# Altium PCB CSBox.PcbDoc (part 2 of 2)
Units mil, origin at the board's own origin, x right, y up, seen from the top; angles counter-clockwise.
Board outline 3932 x 3937.33 mil, 2 copper layers (Top Layer, Bottom Layer); 102 components, 65 nets, 464 pads, 191 vias.
Unrouted connection lines stored in the file: 10.
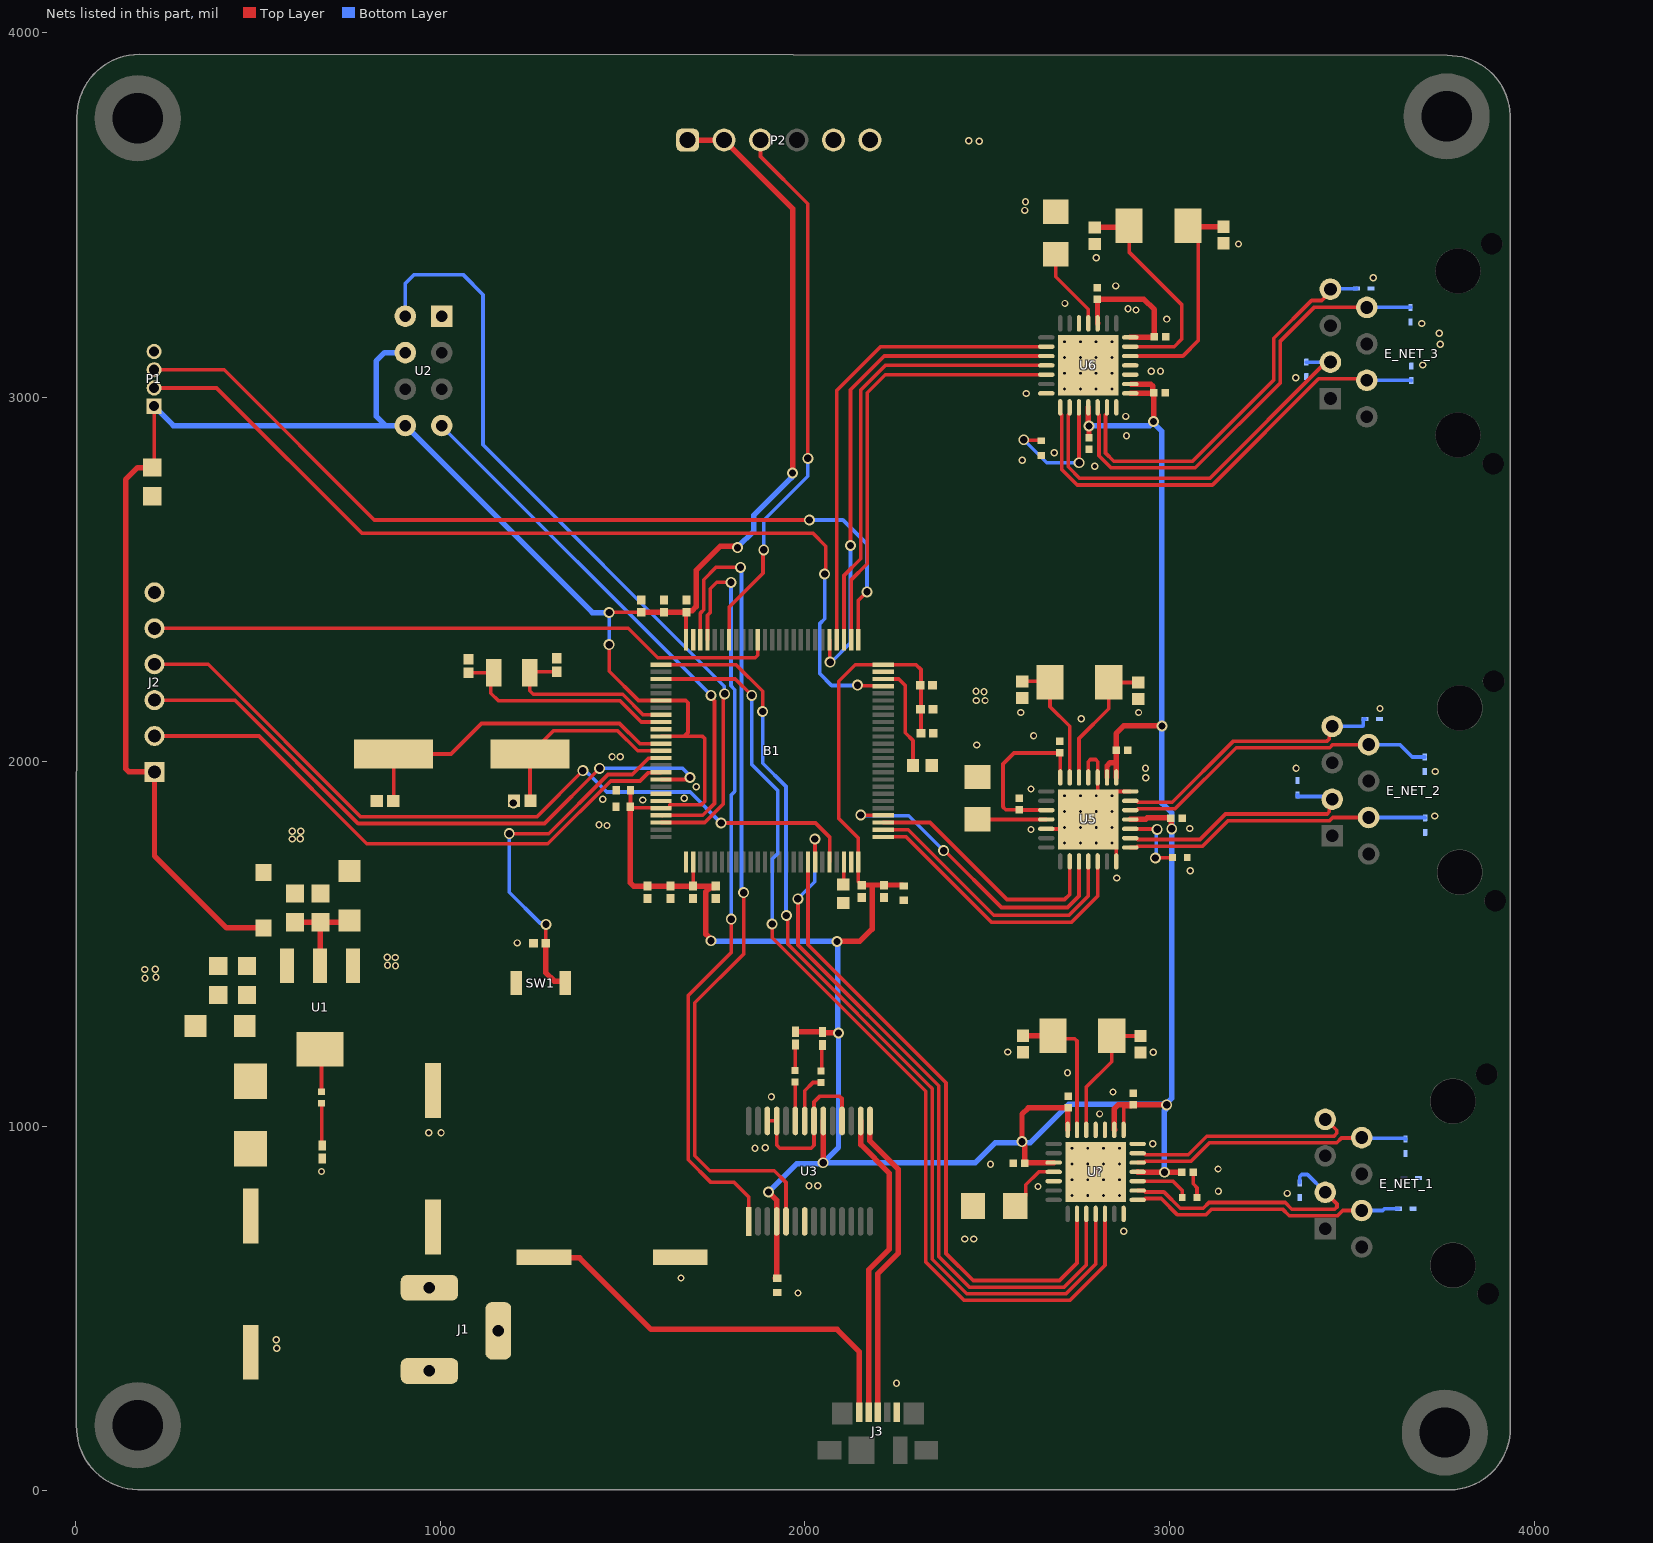
[diagram p2: the nets of this part, all layers, seen from the top]

## Via types
v1: diameter 20, hole 12, Top Layer to Bottom Layer, tented both sides, 94 vias
v2: diameter 30, hole 20, Top Layer to Bottom Layer, 48 vias
v3: diameter 19.68, hole 7.87, Top Layer to Bottom Layer, 48 vias
v4: diameter 30, hole 20, Top Layer to Bottom Layer, tented both sides, 1 vias

## Nets (pads, with @x,y where several pads share a name; then routed paths per layer and width w, separated by ;. In a path a pad name is that pad's centre, name@x,y a point inside that pad or via, vN(x,y) a via of type N, cw(c..) or ccw(c..) an arc to the next point about the centre after c; other vN are vias at no path point)
+3V3: B1.6 B1.11 B1.20 B1.21 B1.27 B1.50 B1.75 B1.100 C4.2 C5.2 C6.2 C12.2 C14.1 C15.1 C16.1 C17.1 C18.1 C19.1 C20.1 C21.1 C22.1 C23.1 C24.1 C25.1 C29.2 C30.2 C32.2 C33.2 C37.1 C38.1 C39.1 C40.1 C44.1 C45.1 C46.1 C47.1 C51.1 C52.1 C53.1 C54.1 D2.K D3.1 D4.1 J2.1 P1.1 P2.1 P2.2 R?.2 U1.2 U1.4 U2.6 U2.8 U3.4 U3.20 U5.11 U5.15 U5.16 U5.21 U5.24 U6.11 U6.15 U6.16 U6.21 U6.24 U?.11 U?.15 U?.16 U?.21 U?.24 | length 16360.1
  Top Layer w10: C32.2@215,2811.74 P1.1@215,2975 ; U1.4@670,1211.83 674,1207.83 R?.2@674,1094.67 ; v2(1463,2321) 1463,2248 1543.2,2167.8 B1.6@1605.35,2167.8 1673.14,2167.8 1679,2161.94 1679,2080 1668.37,2069.37 ; v2(1463,2409) 1463.5,2409.5 1550.5,2409.5 C23.1@1551,2410 ; C30.2@1521.38,1875.62 1523.7,1873.3 B1.21@1605.35,1873.3 ; C30.2@1521.38,1876.38 1521.38,1921.86 C29.2@1521.75,1922.24 ; B1.21@1605.35,1872.52 1628.48,1872.52 1629.39,1873.43 1629.39,1882.36 1716.36,1882.36 1725,1891 1725,2063.51 1719.14,2069.37 1668.37,2069.37 ; B1.11@1605.35,2069.37 1668.37,2069.37 ; B1.100@1673.78,2334.65 C15.1@1673.78,2408.78 ; C21.1@1693,1659 1693.46,1659.46 B1.27@1693.46,1725.35 ; C18.1@2156,1661 2146.22,1670.78 B1.50@2146.22,1725.35 2146.22,1790.78 2093,1844 2093,2221 2138.22,2266.22 B1.75@2214.65,2266.22 2304.78,2266.22 2318.13,2252.87 C16.1@2318.13,2078 2317.63,2078.5 2317.63,2143.5 C17.1@2317.13,2144 ; U5.24@2662,1867.18 2661.65,1867.53 2588.47,1867.53 C46.1@2588,1868 2551,1868 2543,1876 2543,1994 2573,2024 C47.1@2699,2024 2700.04,2022.96 2700.04,1962.49 2699.55,1962 2700.39,1961.16 U5.21@2700.39,1956.75 ; U?.15@2874.02,990.16 2874.02,1052.02 2875.76,1053.76 2894.76,1053.76 C38.1@2899.81,1058.81
  Top Layer w15: C32.2@215,2811.74 C32.2@210,2806.74 169.74,2806.74 137,2774 137,1980.94 145.79,1972.15 J2.1@216,1972.15 216,1742 413.78,1544.22 515.22,1544.22 D2.K@515.22,1544.28 ; C5.2@601,1560 C4.2@671,1560 ; U1.2@670,1440.17 670,1559 C4.2@671,1560 ; C6.2@751,1565 746,1560 C4.2@671,1560 ; C30.2@1521.38,1876.38 1521.38,1875.62 1521.38,1667.66 1530.16,1658.87 C24.1@1568,1658.87 C25.1@1755,1658.87 1755,1658.03 1751.23,1654.26 1738.83,1654.26 1728.23,1643.66 1728.23,1526.83 1742,1513.06 v2(1742,1509) ; C23.1@1551,2410 C14.1@1613,2410 C15.1@1675,2410 1675,2410.84 1678.77,2414.61 1691.17,2414.61 1701.77,2425.21 1701.77,2524.77 1768,2591 1811,2591 v2(1815,2587) ; P2.1@1678,3705 P2.2@1778,3705 1966,3517 v2(1966,2792) ; v2(1900,820) 1922.29,797.71 1922.29,755.49 1922.78,755 1922.43,754.65 U3.4@1922.43,739.2 1922.43,585.09 1920.09,582.75 C33.2@1918.76,582.75 ; D3.1@1974,1259.43 1974,1261.66 1976.34,1264 1976.34,1259.07 2047.64,1259.07 D4.1@2048,1258.72 2048,1258.34 2050.34,1256 v2(2092,1256) ; v2(2050,900) 2050,944.82 2050.39,945.21 U3.20@2050.39,1014.8 ; v2(2088,1507) 2150,1507 2184,1541 2184,1661.84 ; C18.1@2156,1661 2156,1661.84 2184,1661.84 ; C12.2@2271,1659.37 2269.03,1659.37 2266.56,1661.84 2184,1661.84 ; U?.24@2682.09,900.59 2681.3,899.8 2603.54,899.8 C40.1@2602.75,899 2602.75,946.44 2595.25,953.94 v2(2595.25,958) 2595.25,1033.25 2612.5,1050.5 2719.26,1050.5 2720.48,1049.29 U?.21@2720.48,990.16 ; v2@2777,2921 U6.11@2777,2971.84 ; C52.1@2779,2888.5 v2(2779,2921) ; U6.24@2802.59,3202.16 2802.3,3202.45 2802.3,3268.7 C51.1@2802,3269 2929,3269 2958.25,3239.75 C54.1@2958.25,3165 2957.64,3164.39 2892.77,3164.39 U6.21@2892.16,3163.77 ; U5.16@2828.34,1956.75 2828.34,1988.55 2837.13,1997.34 2850.63,1997.34 2853.59,1994.37 ; U?.16@2848.43,990.16 2849,990.72 2848.43,991.29 2848.43,1048.43 2858.81,1058.81 2899.81,1058.81 C38.1@2900,1059 v2(2992,1059) v2@2994.87,1056.13 ; U5.15@2853.25,1956.75 2853.59,1957.09 2853.59,1994.37 ; U5.11@2892.32,1841.59 2934.46,1841.59 2939.37,1846.5 3001.5,1846.5 C45.1@3003,1845 3004.5,1843.5 3004.5,1817.5 v2(3006,1816) ; U6.15@2893.04,3011.11 2956.37,3011.11 C53.1@2956.4,3011.15 ; U6.16@2894.52,3035.82 2948.02,3035.82 2954.07,3029.77 2954.07,3014.29 2956.4,3011.96 C53.1@2956.4,3011.15 ; U?.11@2912.41,875 2912.91,874.5 3032.75,874.5 C39.1@3033.25,874 ; v2(2956,2933) 2956.4,2933.4 C53.1@2956.4,3011.15 ; v2(2979,2098) 2873.83,2098 2853.25,2077.43 2853.25,2033.75 2855,2032 C44.1@2853.25,2032 2853.59,2031.66 2853.59,1994.37
  Bottom Layer w10: v2(1463,2321) v2(1463,2409)
  Bottom Layer w15: P1.1@215,2975 268,2922 850,2922 ; U2.6@903.83,3122 847,3122 823.92,3098.92 823.92,2948.08 850,2922 ; v2(1463,2409) 1416.83,2409 U2.8@903.83,2922 850,2922 ; v2(1742,1509) 1744,1507 v2(2088,1507) 2090,1505 2090,1258 v2(2092,1256) 2092,942 v2(2050,900) ; v2(1815,2587) 1815,2588.29 1860,2633.29 1860,2676 1963.13,2779.13 1963.13,2789.13 v2(1966,2792) ; v2(1900,820) 1977,897 2047,897 v2(2050,900) ; v2(2779,2921) 2945,2921 ; v2(2956,2933) 2956,2928.94 2979,2905.94 v2(2979,2098) 2979,1886.47 3006,1859.47 v2(3006,1816) 3006,1077.06 2992,1063.06 v2(2992,1059) ; v2(2986,874) 2986,1042.71 2989.13,1045.84 2989.13,1056.13 v2(2992,1059) ; v2(2050,900) 2467,900 2522,955 2618,955 2723,1060 2991,1060 v2(2992,1059)
BOOT0: B1.94 P2.3 | length 1513.7
  Top Layer w10: B1.94@1791.89,2334.65 1791.89,2423.89 1885,2517 1885,2579 v2(1887,2581) ; P2.3@1878,3705 1878,3660 2008,3530 v2(2008,2832)
  Bottom Layer w10: v2(1887,2581) 1887,2662 2008,2783 v2(2008,2832)
CS: B1.90 J2.5 | length 1737.9
  Top Layer w10: J2.5@216,2365.85 216,2363 218.85,2365.85 1515.15,2365.85 1595.87,2285.13 1639.77,2285.13 1639.9,2285 1864,2285 1870.63,2291.63 B1.90@1870.63,2334.65
GND: B1.10 B1.19 B1.26 B1.49 B1.74 B1.99 C1.2 C2.2 C3.2 C4.1 C5.1 C6.1 C7.1 C8.1 C9.1 C10.1 C11.2 C12.1 C13.2 C14.2 C15.2 C16.2 C17.2 C18.2 C19.2 C20.2 C21.2 C22.2 C23.2 C24.2 C25.2 C26.2 C27.2 C28.1 C29.1 C30.1 C31.1 C32.1 C33.1 C34.1 C35.1 C36.1 C37.2 C38.2 C39.2 C40.2 C41.1 C42.1 C43.1 C44.2 C45.2 C46.2 C47.2 C48.1 C49.1 C50.1 C51.2 C52.2 C53.2 C54.2 D2.A D5.A D6.A D7.A D8.A D9.A D10.A D11.A D12.A D13.A D14.A D15.A D16.A J1.2 J1.3 J2.6 J3.5 P1.4 P2.5 P2.6 PWR.1 R4.1 R5.1 R6.1 SW1.2 U1.1 U2.1 U3.7 U3.18 U3.21 U3.25 U3.26 U5.7 U5.14 U5.17 U5.18 U5.26 U5.29 U6.7 U6.14 U6.17 U6.18 U6.26 U6.29 U?.7 U?.14 U?.17 U?.18 U?.26 U?.29 | length 1020.4
  Top Layer w10: PWR.1@676,912 676,910 PWR.1@678,912 ; v4(1200,1886.72) 1204,1890.72 C13.2@1201.72,1893 ; U3.26@1896.84,1014.8 U3.25@1922.43,1014.8 1922.43,948.57 1931,940 2017,940 2024.8,947.8 U3.21@2024.8,1014.8 2024.8,1066.8 2040,1082 2095.71,1082 2101.57,1076.14 U3.18@2101.57,1014.8 ; U5.26@2662,1816 2662.35,1815.65 2707.91,1815.65 v3(2712.2,1819.94) v3(2712.2,1776.63) ; v3(2755.5,1863.24) v3(2798.81,1906.55) 2802.75,1910.49 U5.17@2802.75,1956.75 2802.75,2000.14 2796.89,2006 2783.02,2006 2777.16,2000.14 U5.18@2777.16,1956.75 ; U5.29@2777.16,1841.59 v3(2798.81,1863.24) ; v3(2842.12,1776.63) 2853.93,1764.82 U5.7@2853.93,1726.43 ; v3(2842.12,1906.55) 2853.93,1918.36 U5.14@2892.32,1918.36 ; C39.2@3064.75,874 3064.75,842.25 3075.18,831.82 R4.1@3075.18,805
  other v1: 2251,295 551,391 550,415 1981,543 1660,584 2438,691 2463,691 2874,712 3323,816 3134,822 2639,835 2011,837 2035,837 674,876 3133,883 2509,896 1863,940 1891,941 2954,952 968,982 1002,982 2808,1034 1908,1081 2845,1094 2720,1147 2955,1203 2556,1204 190,1406 220,1409 189,1430 218,1431 877,1440 855,1442 876,1463 854,1464 1211,1503 2855,1681 3057,1701 594,1788 616,1789 594,1809 617,1809 2620,1814 3055,1817 1457,1825 1435,1827 3727,1851 1555,1895 1445,1897 1669,1900 2620,1925 1702,1931 2935,1956 3729,1973 2934,1982 3347,1982 1471,2014 1493,2014 2471,2046 2627,2071 2758,2118 2592,2135 2915,2135 3577,2146 2470,2168 2494,2168 2491,2192 2469,2193 2795,2810 2596,2827 2684,2847 2882,2894 2880,2947 2607,3010 3346,3053 2950,3071 2975,3071 3694,3088 3742,3145 3740,3175 3692,3202 2992,3214 2908,3239 2886,3242 2713,3257 2852,3305 3559,3327 2799,3382 3189,3420 2603,3512 2605,3536 2478,3702 2449,3703
  other v3: 2732.29,810.04 2775.6,810.04 2818.91,810.04 2862.21,810.04 2732.29,853.35 2775.6,853.35 2818.91,853.35 2862.21,853.35 2732.29,896.65 2775.6,896.65 2818.91,896.65 2862.21,896.65 2732.29,939.96 2775.6,939.96 2818.91,939.96 2862.21,939.96 2755.5,1776.63 2798.81,1776.63 2755.5,1819.94 2798.81,1819.94 2842.12,1819.94 2712.2,1863.24 2842.12,1863.24 2712.2,1906.55 2755.5,1906.55 2712.04,3022.04 2755.35,3022.04 2798.65,3022.04 2841.96,3022.04 2712.04,3065.35 2755.35,3065.35 2798.65,3065.35 2841.96,3065.35 2712.04,3108.65 2755.35,3108.65 2798.65,3108.65 2841.96,3108.65 2712.04,3151.96 2755.35,3151.96 2798.65,3151.96 2841.96,3151.96
MISO: B1.17 J2.3 | length 1766.3
  Top Layer w10: J2.3@216,2169 436,2169 774.37,1830.63 1285.68,1830.63 v2(1436.93,1981.87) ; B1.17@1605.35,1951.26 1673.85,1951.26 1679.39,1956.8 v2(1684.8,1956.8)
  Bottom Layer w10: v2(1436.93,1981.87) 1664.13,1981.87 1684.8,1961.2 v2(1684.8,1956.8)
MOSI: B1.16 J2.2 | length 1593.3
  Top Layer w10: J2.2@216,2070.57 502.43,2070.57 798.37,1774.63 1294.73,1774.63 1467.16,1947.05 1497.61,1947.05 1533.9,1947.05 1547.82,1947.05 1570.93,1970.17 1604.57,1970.17 B1.16@1605.35,1970.94
NetB1_48: B1.48 C31.2 | length 62.5
  Top Layer w10: C31.2@2105,1663.59 2106.07,1664.66 2106.07,1724.57 B1.48@2106.85,1725.35
NetB1_73: B1.73 C28.2 | length 295.6
  Top Layer w10: B1.73@2214.65,2226.85 2257.15,2226.85 2275,2209 2275,2079.36 2296.41,2057.95 C28.2@2296.41,1990
NetC7_2: C7.2 C8.2 C9.2 D1.K U1.3
NetC34_2: C34.2 U?.19 Y2.2 | length 365.5
  Top Layer w10: U?.19@2771.66,990.16 2771.66,1107.66 2841.42,1177.42 Y2.2@2841.42,1248 2849.64,1248 2850,1247.64 C34.2@2920,1247.64
NetC35_2: C35.2 U?.20 Y2.1 | length 397.5
  Top Layer w10: Y2.1@2680,1248 2688,1240 2740.21,1240 2746.07,1234.14 U?.20@2746.07,990.16
  Top Layer w15: C35.2@2598,1248.28 Y2.1@2679.72,1248.28
NetC36_2: C36.2 U?.25 | length 161.6
  Top Layer w10: C36.2@2577.07,781 2605.54,809.46 2605.54,839.54 2641,875 U?.25@2682.09,875
NetC41_2: C41.2 U5.19 Y3.2 | length 376
  Top Layer w10: U5.19@2751.57,1956.75 2751.57,2063.57 2833.42,2145.42 Y3.2@2833.42,2218 2834.14,2217.28 C41.2@2914,2217.28
NetC42_2: C42.2 U5.20 Y3.1 | length 360.6
  Top Layer w10: C42.2@2596,2220.28 2669.72,2220.28 Y3.1@2672,2218 2672,2151 2725.98,2097.02 U5.20@2725.98,1956.75
NetC43_2: C43.2 U5.25 | length 189.2
  Top Layer w10: C43.2@2473,1842 2473.41,1841.59 U5.25@2662,1841.59
NetC48_2: C48.2 U6.19 Y4.2 | length 630
  Top Layer w10: U6.19@2892.16,3112.59 3036.59,3112.59 3079,3155 3079,3441.42 Y4.2@3050.42,3470
  Top Layer w15: Y4.2@3050.42,3470 3053.14,3467.28 C48.2@3148,3467.28
NetC49_2: C49.2 U6.20 Y4.1 | length 616.3
  Top Layer w10: Y4.1@2889,3470 2889,3398 3033,3254 3033,3158.58 3012.6,3138.18 U6.20@2892.16,3138.18
  Top Layer w15: C49.2@2795,3465.28 2884.28,3465.28 Y4.1@2889,3470
NetC50_2: C50.2 U6.25 | length 226.7
  Top Layer w10: C50.2@2688,3392 2688,3330 2777,3241 U6.25@2777,3202.16
NetD3_2: D3.2 R2.2 | length 71.4
  Top Layer w10: R2.2@1973,1153 1973.5,1153.5 1973.5,1223.5 D3.2@1974,1224
NetD4_2: D4.2 R3.2 | length 75.8
  Top Layer w10: R3.2@2044,1151.67 2046,1153.67 2046,1215.28 2051,1220.28 D4.2@2048,1223.28
NetPWR_2: PWR.2 R?.1 | length 120.6
  Top Layer w10: R?.1@674,1063 675,1062 675,950 672.43,947.43 PWR.2@676,947.43
NetR2_1: R2.1 U3.23 | length 106.8
  Top Layer w10: R2.1@1973,1121.33 1973.31,1121.03 1973.31,1015.1 U3.23@1973.61,1014.8
NetR3_1: R3.1 U3.22 | length 136.6
  Top Layer w10: U3.22@1999.2,1014.8 1999.2,1097.2 2022,1120 R3.1@2043.92,1120
NetR4_2: R4.2 U?.10 | length 152
  Top Layer w10: U?.10@2912.41,849.41 3009.59,849.41 3034.82,824.18 R4.2@3034.82,805
NetR5_2: R5.2 U5.10 | length 202.4
  Top Layer w10: U5.10@2892.32,1816 2892.66,1815.65 2964.96,1815.65 v2(2966,1814.61) ; v2(2961,1736) 2961.5,1736.5 3007.5,1736.5 R5.2@3008,1737
  Bottom Layer w10: v2(2961,1736) 2963.5,1738.5 2963.5,1812.11 v2(2966,1814.61)
NetR6_2: R6.2 U6.10 | length 379.4
  Top Layer w10: v2(2600,2883) 2601.41,2881.59 2646.59,2881.59 R6.2@2648,2880.18 ; U6.10@2751.41,2971.84 2751.7,2971.55 2751.7,2820.3 v2(2752,2820)
  Bottom Layer w10: v2(2600,2883) 2663,2820 v2(2752,2820)
OSC_IN: B1.12 C11.1 X1.2 | length 920.5
  Top Layer w10: C11.1@871,1892 871.98,1892.98 X1.2@871.98,2021 1029,2021 1113,2105 1491.45,2105 1546.77,2049.68 B1.12@1605.35,2049.68
OSC_IN_32: B1.8 C10.2 Y1.2 | length 512
  Top Layer w10: C10.2@1319,2246.63 1247.63,2246.63 Y1.2@1245,2244 1245,2195 1255,2185 1500,2185 1556.57,2128.43 B1.8@1605.35,2128.43
OSC_OUT: B1.13 C13.1 X1.1 | length 537.1
  Top Layer w10: C13.1@1247,1893 1246,1894 X1.1@1246,2021 1310,2085 1486,2085 1541,2030 B1.13@1605.35,2030
OSC_OUT_32: B1.9 C26.1 Y1.1 | length 629.2
  Top Layer w10: C26.1@1077,2244 Y1.1@1146.57,2244 1138,2235.43 1138,2188.15 1159.15,2167 1492.54,2167 1550.8,2108.74 B1.9@1605.35,2108.74
RD2_N: D12.K E_NET_2.6 U5.8 | length 843.2
  Top Layer w10: U5.8@2892.32,1764.82 2909.54,1764.82 2913.33,1768.61 3091.07,1768.61 3161,1838.54 3439.22,1838.54 3447.68,1847 E_NET_2.6@3546,1847
  Bottom Layer w10: E_NET_2.6@3546,1847 3700.09,1847 3701,1846.09 D12.K@3701,1846
RD2_P: D11.K E_NET_2.5 U5.9 | length 718.6
  Top Layer w10: U5.9@2892.32,1790.41 2909.54,1790.41 2913.33,1786.61 3083.61,1786.61 3153.54,1856.54 3431.77,1856.54 3437.63,1862.4 3437.63,1888.63 E_NET_2.5@3446,1897
  Bottom Layer w10: D11.K@3351,1909.12 3351,1905.38 3351.91,1904.47 3438.53,1904.47 E_NET_2.5@3446,1897
RD3_N: D16.K E_NET_3.6 U6.8 | length 1271.3
  Top Layer w10: U6.8@2700.23,2971.84 2700.23,2954.62 2704.02,2950.82 2704.02,2801.52 2746.54,2759 3117.46,2759 3408.73,3050.27 3536.73,3050.27 E_NET_3.6@3541,3046
  Bottom Layer w10: E_NET_3.6@3541,3046 3662.12,3046 D16.K@3663,3045.12
RD3_P: D15.K E_NET_3.5 U6.9 | length 1094.8
  Top Layer w10: U6.9@2725.82,2971.84 2725.82,2954.62 2722.02,2950.82 2722.02,2808.98 2754,2777 3110,2777 3429,3096 E_NET_3.5@3441,3096
  Bottom Layer w10: D15.K@3375,3095.88 3375.06,3095.94 3440.94,3095.94 E_NET_3.5@3441,3096
RD_N: D8.K E_NET_1.6 U?.8 | length 758.1
  Top Layer w10: U?.8@2912.41,798.23 2929.63,798.23 2933.43,802.02 2977,802.02 3022.02,757 3099.46,757 3115.46,773 3309.54,773 3327.86,754.69 3460.77,754.69 3475.08,769 E_NET_1.6@3527,769
  Bottom Layer w10: E_NET_1.6@3527,769 3584.52,769 3589.52,774 D8.K@3628.12,774
RD_P: D7.K E_NET_1.5 U?.9 | length 747.5
  Top Layer w10: U?.9@2912.41,823.82 2929.63,823.82 2933.43,820.02 2984.46,820.02 3029.48,775 3092,775 3108,791 3317,791 3335.31,772.69 3453.31,772.69 3459.17,778.54 3459.17,786.83 E_NET_1.5@3427,819
  Bottom Layer w10: D7.K@3357,844.76 3357,862.14 3362.86,868 3378,868 E_NET_1.5@3427,819
RESET: B1.14 C27.1 SW1.1 | length 997.9
  Top Layer w10: v2(1189,1802.63) 1297.28,1802.63 1459.7,1965.05 1505.07,1965.05 1526.45,1965.05 1570.93,2009.54 1604.57,2009.54 B1.14@1605.35,2010.32 ; C27.1@1289,1502 1289.5,1502.5 1289.5,1553.5 v2(1290,1554)
  Top Layer w15: C27.1@1289,1502 1289,1421.8 1312.47,1398.33 1336.6,1398.33 SW1.1@1341.93,1393
  Bottom Layer w10: v2(1189,1802.63) 1189,1642 1273.17,1557.83 1286.17,1557.83 v2(1290,1554)
RXD_WIFI: B1.22 U2.4 | length 1507.2
  Top Layer w10: B1.22@1605.35,1852.83 1608.17,1852.83 1608.94,1852.06 1609.72,1852.83 1719.38,1852.83 1752,1885.46 1752,2166.59 1742,2176.59 v2(1742,2182)
  Bottom Layer w10: U2.4@1003.83,2922 1003.83,2920.17 v2(1742,2182)
SCK: B1.46 J2.4 | length 2221
  Top Layer w10: J2.4@216,2267.43 363.03,2267.43 781.83,1848.63 1264.08,1848.63 v2(1390.9,1975.44) ; v2(1770,1832) 2029,1832 2067.48,1793.52 B1.46@2067.48,1725.35
  Bottom Layer w10: v2(1390.9,1975.44) 1396.31,1975.44 1404.02,1967.74 1405.62,1967.74 1426.22,1947.13 1456.35,1917 1685,1917 v2(1770,1832)
SPI2_MISO: B1.53 U5.2 | length 691.6
  Top Layer w10: B1.53@2214.65,1833.15 2342.85,1833.15 2554,1622 2712,1622 2725.98,1635.98 U5.2@2725.98,1723.02
SPI2_MOSI: B1.54 U5.3 | length 873.8
  Top Layer w10: v2(2153,1854) 2153.78,1853.22 2214.26,1853.22 B1.54@2214.65,1852.83 ; v2(2380.47,1755.93) 2383.07,1755.93 2539,1600 2720,1600 2751.57,1631.57 U5.3@2751.57,1726.43
  Bottom Layer w10: v2(2153,1854) 2155,1852 2284.4,1852 v2(2380.47,1755.93)
SPI2_NSS_VE_2: B1.51 U5.5 | length 809.3
  Top Layer w10: B1.51@2214.65,1793.78 2277.57,1793.78 2511.35,1560 2730.91,1560 2802.75,1631.84 U5.5@2802.75,1726.43
SPI2_SCK: B1.52 U5.4 | length 776.2
  Top Layer w10: B1.52@2214.65,1813.46 2283.34,1813.46 2517.8,1579 2724.46,1579 2777.16,1631.7 U5.4@2777.16,1726.43
SPI3_MISO: B1.79 U6.2 | length 1307.9
  Top Layer w10: B1.79@2087.17,2334.65 2087.17,3018.17 2207.18,3138.18 U6.2@2661.84,3138.18
SPI3_MOSI: B1.80 U6.3 | length 1409.4
  Top Layer w10: B1.80@2067.48,2334.65 2067.48,2274.52 v2(2069,2273) ; v2(2125,2593) 2125,3020 2217.59,3112.59 U6.3@2661.84,3112.59
  Bottom Layer w10: v2(2069,2273) 2072,2273 2125,2326 v2(2125,2593)
SPI3_NSS_GATEWAY_E_3: B1.77 U6.5 | length 1207.1
  Top Layer w10: B1.77@2126.54,2334.65 2126.54,2498.54 2171,2543 2171,3012 2220.41,3061.41 U6.5@2661.84,3061.41
SPI3_SCK: B1.78 U6.4 | length 1240.7
  Top Layer w10: B1.78@2106.85,2334.65 2106.85,2510.85 2153,2557 2153,3019.46 2220.54,3087 U6.4@2661.84,3087
SPI4_MISO: B1.43 U?.2 | length 1775.5
  Top Layer w10: B1.43@2008.43,1725.35 2008.43,1497.77 2387,1119.2 2387,651.2 2461.2,577 2698,577 2746.07,625.07 U?.2@2746.07,759.84
SPI4_MOSI: B1.44 U?.3 | length 1992.3
  Top Layer w10: v2(1980.43,1624) 1980.87,1623.56 1980.87,1497.04 2367,1110.91 2367,642.91 2450.91,559 2711,559 2771.66,619.66 U?.3@2771.66,759.84 ; v2(2027,1788) 2027.56,1787.44 2027.56,1725.91 B1.44@2028.11,1725.35
  Bottom Layer w10: v2(1980.43,1624) 2027,1670.57 v2(2027,1788)
SPI4_NSS_VE_1: B1.3 U?.5 | length 2748
  Top Layer w10: B1.3@1605.35,2226.85 1809.15,2226.85 v2(1854,2182) ; v2(1910,1555) 1910,1517 1925,1502 2331,1096 2331,628 2436,523 2727,523 2822.84,618.84 2822.84,749.16 2823.68,750 2822.84,750.84 U?.5@2822.84,759.84
  Bottom Layer w10: v2(1854,2182) 1854,1992.29 1925,1921.29 1925,1748.35 1910,1733.35 v2(1910,1555)
SPI4_SCK: B1.1 U?.4 | length 2717.8
  Top Layer w10: B1.1@1605.35,2266.22 1810.78,2266.22 1884,2193 v2(1884,2138) ; v2(1949,1578) 1952.43,1574.57 1952.43,1500.03 2338.46,1114 2349,1103.46 2349,635.46 2443.46,541 2716,541 2797.25,622.25 U?.4@2797.25,759.84
  Bottom Layer w10: v2(1884,2138) 1884,1996 1948,1932 1948,1579 v2(1949,1578)
SWCLK: B1.76 P1.3 | length 2425.2
  Top Layer w10: P1.3@215,3075 407,3075 819,2663 v2(2012,2663) ; B1.76@2146.22,2334.65 2146.22,2442.22 v2(2170,2466)
  Bottom Layer w10: v2(2012,2663) 2104,2663 2170,2597 v2(2170,2466)
SWDIO: B1.72 P1.2 | length 2566.9
  Top Layer w10: P1.2@215,3025 386.29,3025 784.29,2627 2021,2627 2057,2591 2057,2518 v2(2054,2515) ; v2(2144,2210) 2146.06,2207.94 2213.87,2207.94 B1.72@2214.65,2207.17
  Bottom Layer w10: v2(2054,2515) 2054,2391.99 2041,2378.99 2041,2241 2073,2209 2143,2209 v2(2144,2210)
T_N: D6.K E_NET_1.2 U?.12 | length 765.2
  Top Layer w10: U?.12@2912.41,900.59 2929.63,900.59 2933.43,904.39 3058.84,904.39 3109.46,955 3458.46,955 3471.59,968.13 3526.13,968.13 E_NET_1.2@3527,969
  Bottom Layer w10: E_NET_1.2@3527,969 3529,967 3646.09,967 3647,966.09 D6.K@3647,965
T_P: E_NET_1.1 U?.13 | length 624.8
  Top Layer w10: U?.13@2912.41,926.18 2929.63,926.18 2933.43,922.39 3051.39,922.39 3102,973 3451,973 3458.86,980.86 3458.86,989.14 3429,1019 E_NET_1.1@3427,1019
TD2_N: D10.K E_NET_2.2 U5.12 | length 896.3
  Top Layer w10: U5.12@2892.32,1867.18 2909.54,1867.18 2913.33,1870.98 3014.98,1870.98 3182.54,2038.54 3439.22,2038.54 3447.68,2047 E_NET_2.2@3546,2047
  Bottom Layer w10: E_NET_2.2@3546,2047 3631,2047 3665.24,2012.76 D10.K@3700,2012.76
TD2_P: D9.K E_NET_2.1 U5.13 | length 765.7
  Top Layer w10: U5.13@2892.32,1892.77 2909.54,1892.77 2913.33,1888.98 3007.52,1888.98 3175.09,2056.54 3431.77,2056.54 3437.63,2062.4 3437.63,2088.63 E_NET_2.1@3446,2097
  Bottom Layer w10: E_NET_2.1@3446,2097 3530.26,2097 3531.47,2098.21 3531.47,2116.09 3532.38,2117 D9.K@3536.12,2117
TD3_N: D14.K E_NET_3.2 U6.12 | length 1251.9
  Top Layer w10: U6.12@2802.59,2971.84 2802.59,2954.62 2806.39,2950.82 2806.39,2839.16 2839.54,2806 3070.46,2806 3304,3039.54 3304,3154 3396,3246 E_NET_3.2@3541,3246
  Bottom Layer w10: E_NET_3.2@3541,3246 D14.K@3661,3246
TD3_P: D13.K E_NET_3.1 U6.13 | length 1092.4
  Top Layer w10: U6.13@2828.18,2971.84 2828.18,2954.62 2824.39,2950.82 2824.39,2846.61 2847,2824 3063,2824 3286,3047 3286,3161.46 3389.54,3265 3417.31,3265 3432.63,3280.31 3432.63,3287.63 E_NET_3.1@3441,3296
  Bottom Layer w10: E_NET_3.1@3441,3296 3453,3296 3454.09,3297.09 3512.09,3297.09 D13.K@3513,3298
TXD_WIFI: B1.23 U2.5 | length 2200.6
  Top Layer w10: B1.23@1605.35,1833.15 1725.15,1833.15 1775.96,1883.96 1775.96,2182.22 v2(1779.78,2186.05)
  Bottom Layer w10: U2.5@903.83,3222 903.83,3311.83 928,3336 1062,3336 1116.99,3281.01 1116.99,2868.99 1778.64,2207.33 1778.64,2187.19 v2(1779.78,2186.05)
USB_RXD: B1.98 U3.5 | length 2343.5
  Top Layer w10: B1.98@1713.15,2334.65 1713.15,2407.6 1714.83,2409.29 1722.27,2416.72 1722.27,2499.27 1756,2533 v2(1823,2533) ; v2(1831.82,1640.9) 1831.82,1472.82 1698,1339 1698,919 1739,878 1916,878 1948.02,845.98 1948.02,749.35 1947.68,749 1948.02,748.65 U3.5@1948.02,739.2
  Bottom Layer w10: v2(1823,2533) 1825.78,2530.22 1825.78,1652.35 1831.82,1646.31 v2(1831.82,1640.9)
USB_TXD: B1.97 U3.1 | length 2123.1
  Top Layer w10: B1.97@1732.83,2334.65 1732.83,2401.83 1740.27,2409.26 1740.27,2474.27 1758,2492 v2(1797,2492) ; v2(1797.78,1568.19) 1797.78,1476.78 1680,1359 1680,908 1741,847 1805,847 1845.66,806.34 U3.1@1845.66,739.2
  Bottom Layer w10: v2(1797,2492) 1797,2208.43 1807.78,2197.65 1807.78,1918.53 1798,1908.75 1798,1624.22 1797.78,1624 v2(1797.78,1568.19)
USBD_N: J3.2 U3.16 | length 854.7
  Top Layer w15: U3.16@2152.75,1014.8 2152.89,1014.65 2152.89,982.63 2153.04,982.47 2153.04,949.57 2231,871.61 2231,662.36 2174.7,606.06 2174.7,216.24 J3.2@2174.41,215.94
USBD_P: J3.3 U3.15 | length 854.7
  Top Layer w15: U3.15@2178.34,1014.8 2178.2,1014.65 2178.2,982.63 2178.04,982.47 2178.04,959.93 2256,881.97 2256,652 2199.7,595.7 2199.7,216.24 J3.3@2200,215.94
V_IN: C1.1 C2.1 C3.1 D1.A J1.1 J3.1 | length 1168.5
  Top Layer w15: C3.1@1252.99,639 1382,639 1577.93,443.07 1610.07,443.07 1610.14,443 2088.03,443 2148.82,382.21 J3.1@2148.82,215.94
pads on no net: B1.2 B1.4 B1.5 B1.7 B1.15 B1.18 B1.24 B1.25 B1.28 B1.29 B1.30 B1.31 B1.32 B1.33 B1.34 B1.35 B1.36 B1.37 B1.38 B1.39 B1.40 B1.41 B1.42 B1.45 B1.47 B1.55 B1.56 B1.57 B1.58 B1.59 B1.60 B1.61 B1.62 B1.63 B1.64 B1.65 B1.66 B1.67 B1.68 B1.69 B1.70 B1.71 B1.81 B1.82 B1.83 B1.84 B1.85 B1.86 B1.87 B1.88 B1.89 B1.91 B1.92 B1.93 B1.95 B1.96 D5.K E_NET_1. E_NET_1.3 E_NET_1.4 E_NET_1.7 E_NET_1.8 E_NET_1.9 E_NET_1.10 E_NET_2. E_NET_2.3 E_NET_2.4 E_NET_2.7 E_NET_2.8 E_NET_2.9 E_NET_2.10 E_NET_3. E_NET_3.3 E_NET_3.4 E_NET_3.7 E_NET_3.8 E_NET_3.9 E_NET_3.10 J3.4 J3.6 J3.7 J3.8 J3.9 J3.10 J3.11 MH1.1 MH2.1 MH3.1 MH4.1 P2.4 SW1. U2.2 U2.3 U2.7 U3.2 U3.3 U3.6 U3.8 U3.9 U3.10 U3.11 U3.12 U3.13 U3.14 U3.17 U3.19 U3.24 U3.27 U3.28 U5.1 U5.6 U5.22 U5.23 U5.27 U5.28 U6.1 U6.6 U6.22 U6.23 U6.27 U6.28 U?.1 U?.6 U?.22 U?.23 U?.27 U?.28
copper on no net: | length 8.5
  Top Layer w15: 3754,3776 3760,3770
  other v1: 1999,798

## Polygon pours and split planes (outlines as drawn)
GND on Top Layer "GND_L01_P005" (solid, remove dead copper, pour order 5): 170,3 cw(c174.5,175.5) 2,180 3,3768 cw(c174.5,3768.5) 174,3940 3761,3937 cw(c3765.5,3768.5) 3934,3773 3934,160 cw(c3766,171) 3755,3
+3V3 on Top Layer "+3V3_L01_P002" (solid, remove dead copper, pour order 2): 796,1599 797,1527 704,1528 704,1086 640,1086 640,1524 630,1514 480,1514 480,1599 479,1600 488,1600 488,1599 488,1600 488,1599
NetC7_2 on Top Layer "NETC7_2_L01_P001" (solid, pour order 1): 604,1491 445,1491 428,1474 428,1068 531,1068 522,1077 522,1382 523,1381 605,1381 604,1382 604,1490
V_IN on Top Layer "V_IN_L01_P000" (solid, pour order 0): 1089.5,527 1089.5,597 1304.5,589.32 1304.5,627 1304.5,642 1304.5,687 989.5,687 989.5,832 867,832 867,612 539.5,616.64 539.5,977 429.5,977 429.5,547 434.5,542 684.5,542 699.5,527
GND on Bottom Layer "GND_L02_P006" (solid, remove dead copper, pour order 6): 170,3 cw(c174.5,175.5) 2,180 3,3768 cw(c174.5,3768.5) 174,3940 3761,3937 cw(c3765.5,3768.5) 3934,3773 3934,160 cw(c3766,171) 3755,3

## Other copper
Multi-Layer:
  pour cut-out: 1903,3401.09 1903,2763.91 1335,2767.17 1335,3401.09

## Silkscreen, mask and mechanical layers (free items; w line width, h text height)
Top Overlay:
  drawing of 5 lines, arcs and shapes, not listed
  text "BOOT_MODE" at 1744,3819.17 h80
  text "BOOT0" at 1853.04,3638 h80 r270
  text "3.3V" at 1655.04,3636 h80 r270
  text "3.3V" at 1754.04,3635 h80 r270
  text "BOOT1" at 1958.04,3634 h80 r270
  text "GND" at 2169.04,3634 h80 r270
  text "GND" at 2064.04,3627 h80 r270
  text "CSBOX / Vehicle ECU Monitoring System" at 427,3559 h80
  text "GND" at 286,3140.04 h80
  text "SWCLK" at 280,3068.96 h80
  text "WIFI_MODULE" at 1071,3066.17 h80
  text "SWDIO" at 276,3003.04 h80
  text "ESP8266  wifi module" at 1066,2975.11 h80
  text "VCC (3.3V)" at 273,2931.32 h80
  text "Ethernet_3" at 3251.03,2909 h100 r90
  text "SWD (DEBUGGER)" at 131.68,2721 h80 r90
  text "GND" at 332,2437.04 h80
  text "STM32F730V8T6" at 1757,2394.11 h80
  text "CS" at 332,2340.96 h80
  text "SCK" at 338,2243.96 h80
  text "MISO" at 339,2146.04 h80
  text "DISPLAY" at 95.11,2098 h80 r90
  text "MOSI" at 339,2041.04 h80
  text "VCC" at 335,1943.96 h80
  text "Ethernet_2" at 3257.03,1717 h100 r90
  text "RESET" at 1170,1269.89 h80
  text "Ethernet_1" at 3239.03,601 h100 r90
  text "USB (CODE UPLOAD)" at 1828,379.32 h80
  text "DC_IN (12V)" at 1229,142.32 h80
Mechanical 1:
  the board outline again, w20

## Text inside footprints (layer, text, board x,y; h text height)
D1: Top Overlay "K" at 400.26,1163.87 h35 r90; Top Overlay "A" at 395.34,883.36 h35 r90
D2: Top Overlay "A" at 500,1655 h35 r270; Top Overlay "K" at 500,1615 h35 r270
P2: Top Overlay "1" at 1586,3686 h40; Top Overlay "6" at 2264,3686 h40